# Altium PCB BE200.PcbDoc (part 1 of 6) (continued)
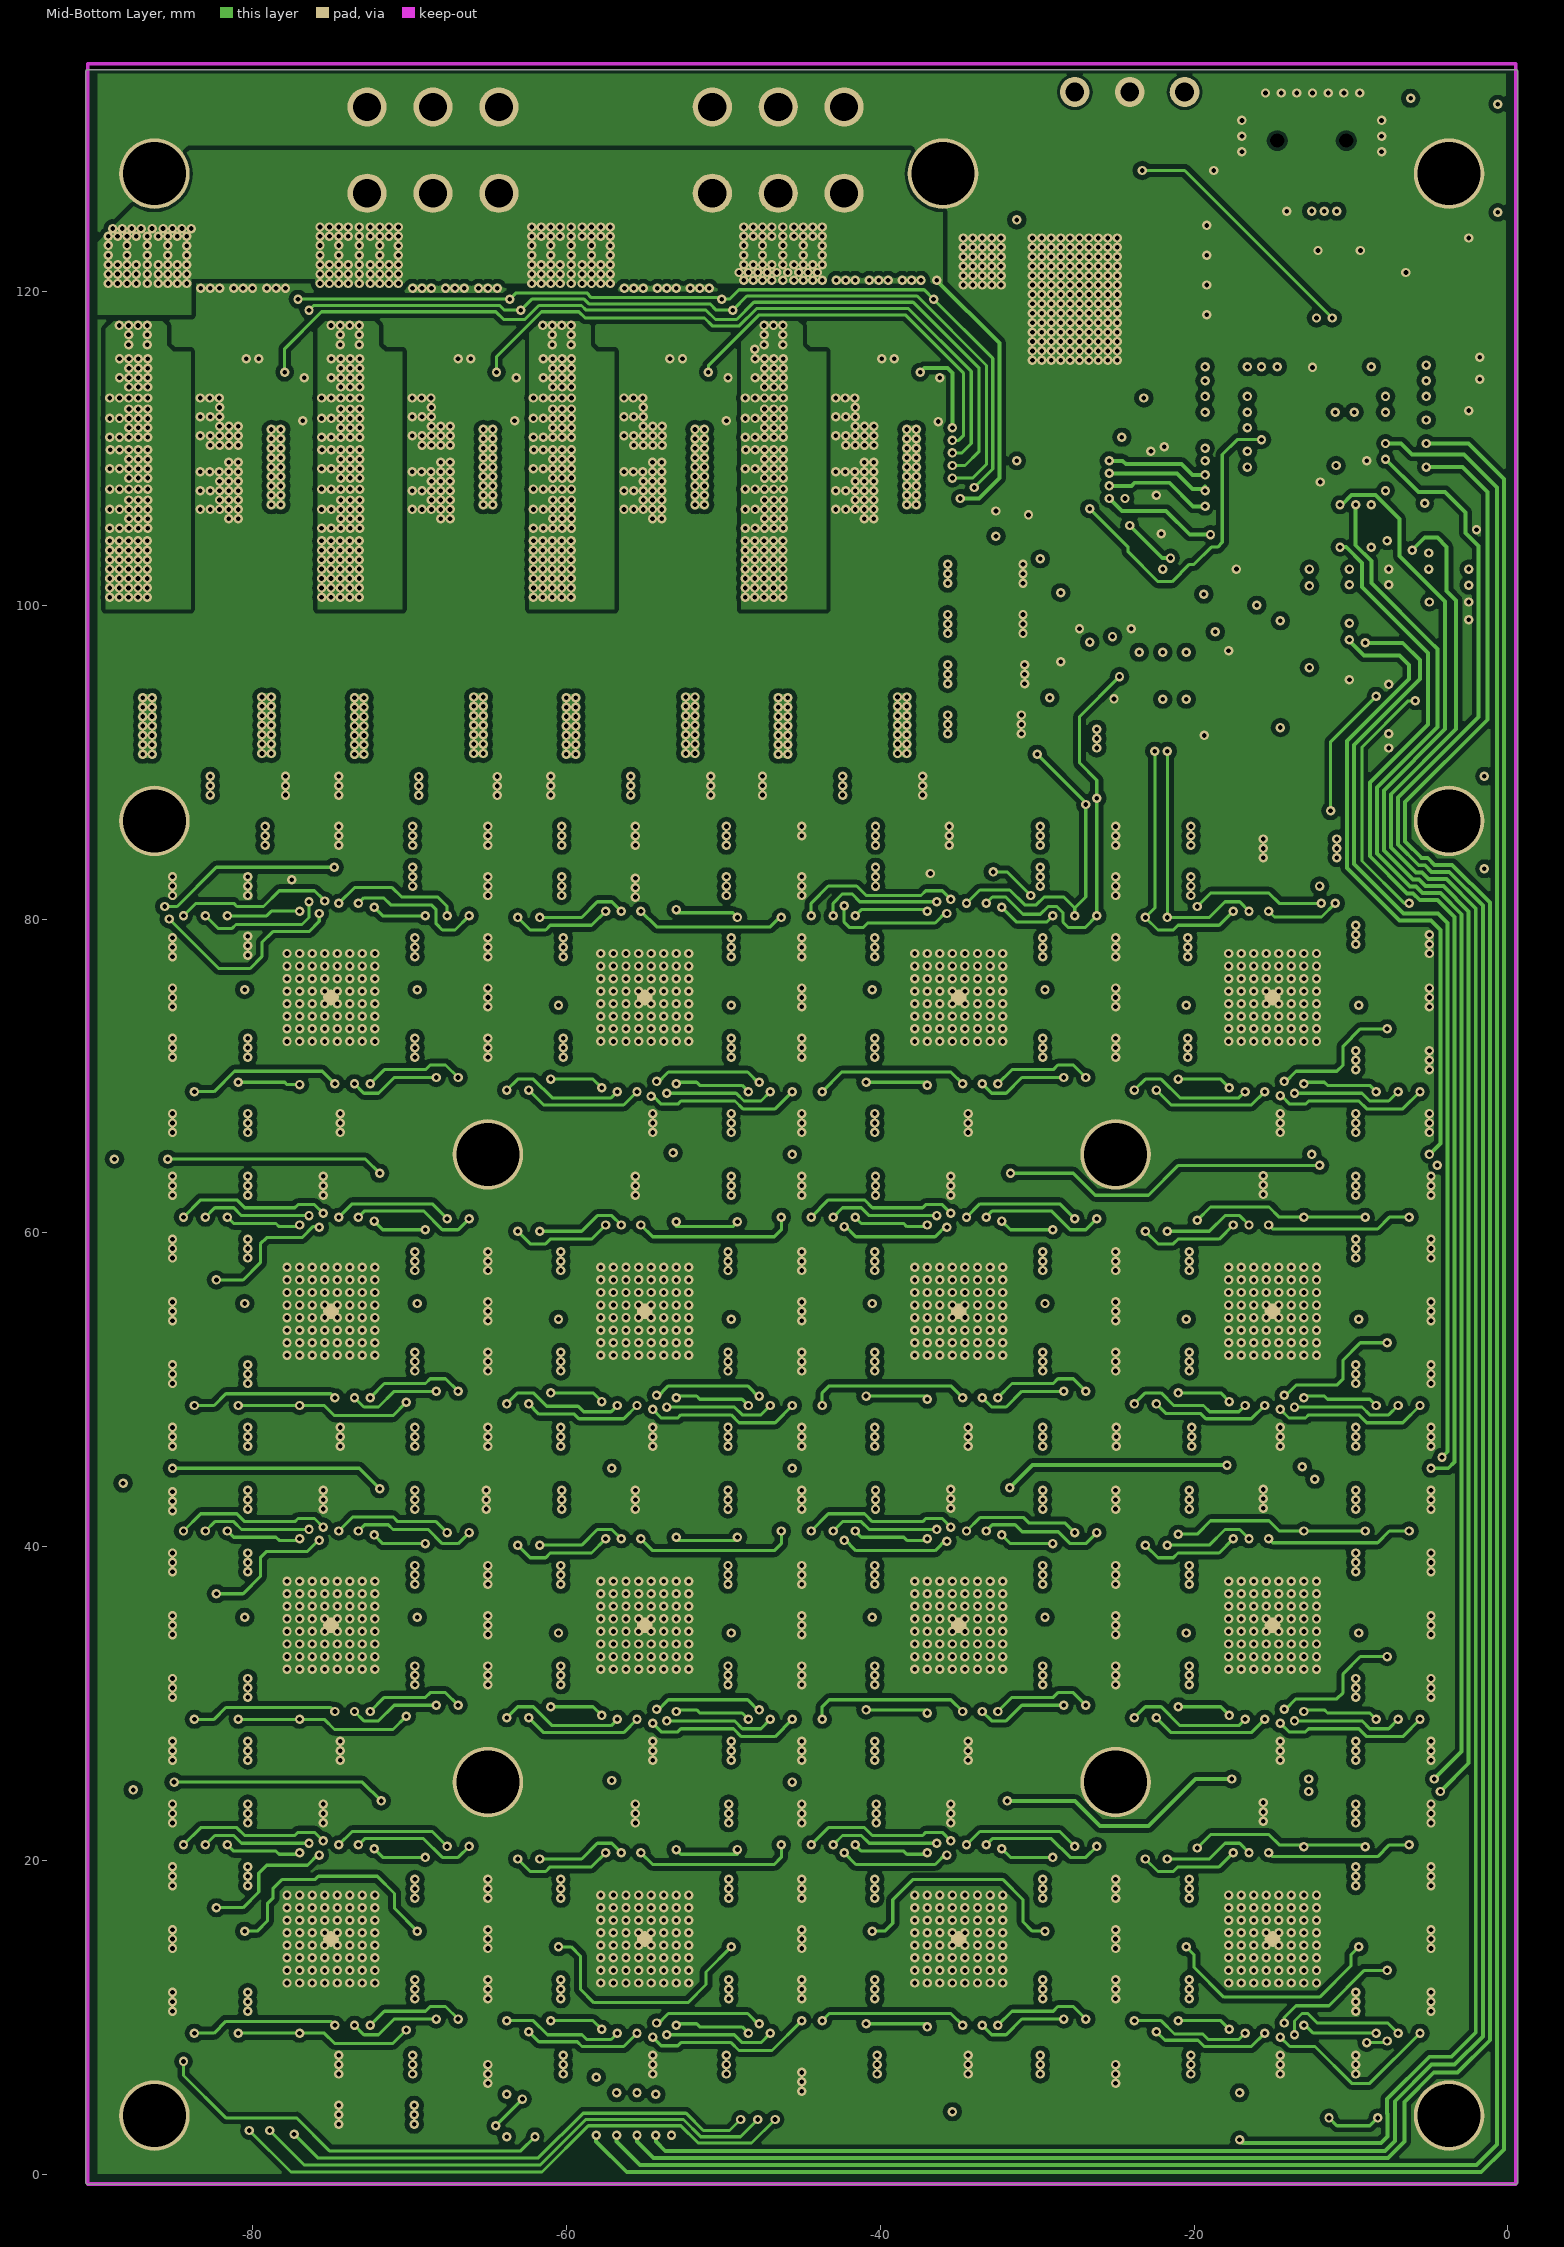
[diagram p3: Mid-Bottom Layer]
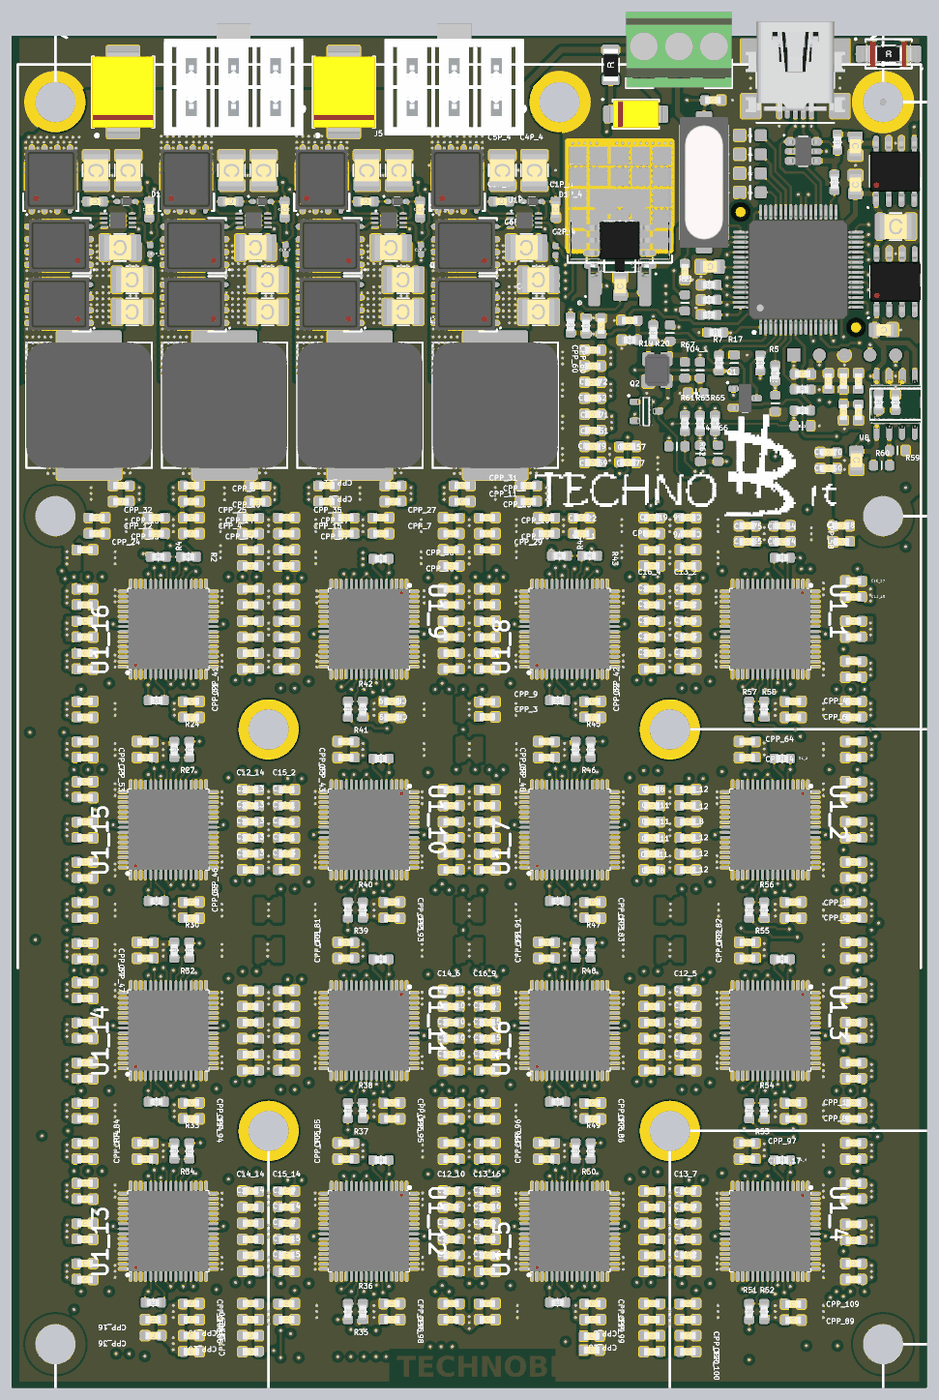
[diagram p9: 3D render of the assembled board from above, using the file's embedded part models]

## Layer stack, top to bottom
Top Solder: solder mask 0.0102, Solder Resist, Dk 3.5
Top Layer: signal copper 0.0356
Dielectric1: prepreg 0.32, FR-4, Dk 4.8
Mid-Top Layer: signal copper 0.0356
Dielectric2: core 0.32, FR-4, Dk 4.8
Mid-Bottom Layer: signal copper 0.0356
Dielectric3: prepreg 0.32, FR-4, Dk 4.8
Bottom Layer: signal copper 0.0356
Bottom Solder: solder mask 0.0102, Solder Resist, Dk 3.5

## Board outline
-90.625,-0.5 ccw(c-90.5,-0.5) -90.5,-0.625 0.5,-0.625 ccw(c0.5,-0.5) 0.625,-0.5 0.625,134 ccw(c0.5,134) 0.5,134.125 -90.5,134.125 ccw(c-90.5,134) -90.625,134

## Design rules (kind name [scope] priority, off if disabled: settings)
Clearance ClearancePad [(InPadClass('All Pads'))] p1: gap=0.2
Clearance "Clearance Bord Outline" [(OnLayer('Keep-Out Layer'))] p2: gap=0.5
Clearance "Clearance Polygon" [InPolygon] p3: gap=0.3
Clearance "Clearance Component Footprint" [(InComponentClass('All Components'))] p4: gap=0.2
Clearance [All] p5: gap=0.2
ComponentClearance [All] p1: gap=0.25 collisioncheckmode=3 verticalgap=0.25 showdistances=FALSE
DiffPairsRouting [All] p1: maxlimit=0.25 minlimit=0.25 mostfreqgap=0.25 toplayer_minwidth=0.381 toplayer_maxwidth=0.381 toplayer_prefwidth=0.381 midlayer1_minwidth=0.381 midlayer1_maxwidth=0.381 midlayer1_prefwidth=0.381 midlayer2_minwidth=0.381 midlayer2_maxwidth=0.381 midlayer2_prefwidth=0.381 bottomlayer_minwidth=0.381 bottomlayer_maxwidth=0.381 bottomlayer_prefwidth=0.381 maxuncoupledlength=12.7
HoleToHoleClearance [All] p1: gap=0.15 allowstackedmicrovias=TRUE
MinimumSolderMaskSliver [All] p1: minsoldermaskwidth=0.1
PolygonConnect "PolygonConnect Relief Connect" [(IsNamedPolygon('Top Layer-GND'))] p1 off: connectstyle=Relief reliefconductorwidth=0.25 reliefentries=4 polygonreliefangle="90 Angle" airgapwidth=0.254
PolygonConnect [All] p2: connectstyle=Direct reliefconductorwidth=0.254 reliefentries=4 polygonreliefangle="90 Angle" airgapwidth=0.254
RoutingVias [All] p1: holewidth=0.3 width=0.6 viastyle="Through Hole" minholewidth=0.3 minwidth=0.6 maxholewidth=0.5 maxwidth=1.3
SilkToSolderMaskClearance SilkscreenOverComponentPads [IsPad] p1: minsilkscreentomaskgap=0.254 clearancetoexposedcopper=TRUE
SolderMaskExpansion [All] p1: expansion=0.1
UnpouredPolygon [All] p1: allowunpoured=FALSE
Width [All] p1: maxlimit=2 minlimit=0.2 preferedwidth=0.25
24 further rules are at their usual default settings.

## Components (designator, comment, footprint, x,y, rotation, side; value= is the part's Value field where it differs from the comment)
C1 "10uF/16V" SMD_0805_CAPC2012X145N -21,111.1 r180 top
C1_1 "470nF" SMD_0603_CAPC1608X80N -46.8,26.2 r180 top
C1_2 "470nF" SMD_0603_CAPC1608X80N -63.2,6.2 r0 top
C1_3 "470nF" SMD_0603_CAPC1608X80N -66.8,82.9 r180 top
C1_4 "470nF" SMD_0603_CAPC1608X80N -26.8,81.3 r180 top
C1_5 "470nF" SMD_0603_CAPC1608X80N -46.8,52.6 r180 top
C1_6 "470nF" SMD_0603_CAPC1608X80N -6.7,14.1 r180 top
C1_7 "470nF" SMD_0603_CAPC1608X80N -83.3,14.2 r0 top
C1_8 "470nF" SMD_0603_CAPC1608X80N -83.3,30.2 r0 top
C1_9 "470nF" SMD_0603_CAPC1608X80N -63.2,71 r0 top
C1_10 "470nF" SMD_0603_CAPC1608X80N -6.7,34.2 r180 top
C1_11 "470nF" SMD_0603_CAPC1608X80N -6.7,63.8 r180 top
C1_12 "470nF" SMD_0603_CAPC1608X80N -6.7,42.2 r180 top
C1_13 "470nF" SMD_0603_CAPC1608X80N -63.2,39 r0 top
C1_14 "470nF" SMD_0603_CAPC1608X80N -26.8,17.4 r180 top
C1_15 "470nF" SMD_0603_CAPC1608X80N -6.7,66.2 r180 top
C1_16 "470nF" SMD_0603_CAPC1608X80N -66.8,79 r180 top
C1P_1 "10uF/16V" SMD_0603_CAPC1608X95N -76.9,116.8 r90 top
C1P_2 "10uF/16V" SMD_0603_CAPC1608X95N -63.4,116.8 r90 top
C1P_3 "10uF/16V" SMD_0603_CAPC1608X95N -49.9,116.8 r90 top
C1P_4 "10uF/16V" SMD_0603_CAPC1608X95N -36.4,116.8 r90 top
C2 "1nF" SMD_0603_CAPC1608X80N -31.85,105.2 r90 top
C2_1 "470nF" SMD_0603_CAPC1608X80N -23.2,81.3 r0 top
C2_2 "470nF" SMD_0603_CAPC1608X80N -63.2,7.8 r0 top
C2_3 "470nF" SMD_0603_CAPC1608X80N -66.8,81.3 r180 top
C2_4 "470nF" SMD_0603_CAPC1608X80N -52.601,87.7 r180 top
C2_5 "470nF" SMD_0603_CAPC1608X80N -66.8,37.4 r180 top
C2_6 "470nF" SMD_0603_CAPC1608X80N -83.3,55.8 r0 top
C2_7 "470nF" SMD_0603_CAPC1608X80N -83.3,15.8 r0 top
C2_8 "470nF" SMD_0603_CAPC1608X80N -83.3,35.8 r0 top
C2_9 "470nF" SMD_0603_CAPC1608X80N -63.2,72.6 r0 top
C2_10 "470nF" SMD_0603_CAPC1608X80N -6.7,19.8 r180 top
C2_11 "470nF" SMD_0603_CAPC1608X80N -6.7,58.2 r180 top
C2_12 "470nF" SMD_0603_CAPC1608X80N -26.8,32.6 r180 top
C2_13 "470nF" SMD_0603_CAPC1608X80N -43.2,51 r0 top
C2_14 "470nF" SMD_0603_CAPC1608X80N -26.8,15.8 r180 top
C2_15 "470nF" SMD_0603_CAPC1608X80N -66.8,11 r180 top
C2_16 "470nF" SMD_0603_CAPC1608X80N -66.8,77.4 r180 top
C2P_1 "(OPT)1uF/16V" SMD_0402_CAPC1005X90N -76.8,112.8 r270 top
C2P_2 "(OPT)1uF/16V" SMD_0402_CAPC1005X90N -63.3,112.8 r270 top
C2P_3 "(OPT)1uF/16V" SMD_0402_CAPC1005X90N -49.8,112.8 r270 top
C2P_4 "(OPT)1uF/16V" SMD_0402_CAPC1005X90N -36.4,112.7 r270 top
C3 "1nF" SMD_0603_CAPC1608X80N -29,105.75 r180 top
C3_1 "470nF" SMD_0603_CAPC1608X80N -23.2,82.9 r0 top
C3_2 "470nF" SMD_0603_CAPC1608X80N -43.2,7.8 r0 top
C3_3 "470nF" SMD_0603_CAPC1608X80N -63.199,81.3 r0 top
C3_4 "470nF" SMD_0603_CAPC1608X80N -83.3,79 r0 top
C3_5 "470nF" SMD_0603_CAPC1608X80N -66.8,35.8 r180 top
C3_6 "470nF" SMD_0603_CAPC1608X80N -83.3,54.2 r0 top
C3_7 "470nF" SMD_0603_CAPC1608X80N -83.3,18.2 r0 top
C3_8 "470nF" SMD_0603_CAPC1608X80N -83.3,39.8 r0 top
C3_9 "470nF" SMD_0603_CAPC1608X80N -63.2,74.2 r0 top
C3_10 "470nF" SMD_0603_CAPC1608X80N -6.7,18.2 r180 top
C3_11 "470nF" SMD_0603_CAPC1608X80N -6.7,54.2 r180 top
C3_12 "470nF" SMD_0603_CAPC1608X80N -26.8,37.4 r180 top
C3_13 "470nF" SMD_0603_CAPC1608X80N -43.2,52.6 r0 top
C3_14 "470nF" SMD_0603_CAPC1608X80N -26.8,14.2 r180 top
C3_15 "470nF" SMD_0603_CAPC1608X80N -66.8,15.8 r180 top
C3_16 "470nF" SMD_0603_CAPC1608X80N -66.8,75.8 r180 top
C3P_1 "100nF/50V" SMD_0603_CAPC1608X95N -82.3,117.6 r180 top
C3P_2 "100nF/50V" SMD_0603_CAPC1608X95N -68.8,117.6 r180 top
C3P_3 "100nF/50V" SMD_0603_CAPC1608X95N -55.3,117.6 r180 top
C3P_4 "100nF/50V" SMD_0603_CAPC1608X95N -41.8,117.6 r180 top
C4 "100nF" SMD_0603_CAPC1608X80N -6.2,99.7 r90 top
C4_1 "470nF" SMD_0603_CAPC1608X80N -43.2,27.8 r0 top
C4_2 "470nF" SMD_0603_CAPC1608X80N -46.8,7.8 r180 top
C4_3 "470nF" SMD_0603_CAPC1608X80N -63.199,82.9 r0 top
C4_4 "470nF" SMD_0603_CAPC1608X80N -83.3,77.4 r0 top
C4_5 "470nF" SMD_0603_CAPC1608X80N -66.8,34.2 r180 top
C4_6 "470nF" SMD_0603_CAPC1608X80N -83.3,63.8 r0 top
C4_7 "470nF" SMD_0603_CAPC1608X80N -83.3,19.8 r0 top
C4_8 "470nF" SMD_0603_CAPC1608X80N -83.3,42.1 r0 top
C4_9 "470nF" SMD_0603_CAPC1608X80N -63.2,75.8 r0 top
C4_10 "470nF" SMD_0603_CAPC1608X80N -83.3,72.6 r0 top
C4_11 "470nF" SMD_0603_CAPC1608X80N -6.7,51.8 r180 top
C4_12 "470nF" SMD_0603_CAPC1608X80N -43.2,57.4 r0 top
C4_13 "470nF" SMD_0603_CAPC1608X80N -43.2,54.2 r0 top
C4_14 "470nF" SMD_0603_CAPC1608X80N -6.7,67.8 r180 top
C4_15 "470nF" SMD_0603_CAPC1608X80N -66.8,14.2 r180 top
C4_16 "470nF" SMD_0603_CAPC1608X80N -66.8,74.2 r180 top
C4P_1 "100uF" SMD_1210_CAPC3225X279N -82.2,120.7 r270 top
C4P_2 "100uF" SMD_1210_CAPC3225X279N -68.7,120.7 r270 top
C4P_3 "100uF" SMD_1210_CAPC3225X279N -55.2,120.7 r270 top
C4P_4 "100uF" SMD_1210_CAPC3225X279N -38.5,120.7 r270 top
C5_1 "470nF" SMD_0603_CAPC1608X80N -43.2,22.2 r0 top
C5_2 "470nF" SMD_0603_CAPC1608X80N -46.8,6.2 r180 top
C5_3 "470nF" SMD_0603_CAPC1608X80N -26.8,4.6 r180 top
C5_4 "470nF" SMD_0603_CAPC1608X80N -83.3,75.8 r0 top
C5_5 "470nF" SMD_0603_CAPC1608X80N -66.8,32.6 r180 top
C5_6 "470nF" SMD_0603_CAPC1608X80N -83.3,62.2 r0 top
C5_7 "470nF" SMD_0603_CAPC1608X80N -83.3,26.2 r0 top
C5_8 "470nF" SMD_0603_CAPC1608X80N -83.3,50.2 r0 top
C5_9 "470nF" SMD_0603_CAPC1608X80N -63.2,77.4 r0 top
C5_10 "470nF" SMD_0603_CAPC1608X80N -6.7,31.8 r180 top
C5_11 "470nF" SMD_0603_CAPC1608X80N -26.8,12.6 r180 top
C5_12 "470nF" SMD_0603_CAPC1608X80N -43.2,55.8 r0 top
C5_13 "470nF" SMD_0603_CAPC1608X80N -26.8,35.8 r180 top
C5_14 "470nF" SMD_0603_CAPC1608X80N -6.7,62.2 r180 top
C5_15 "470nF" SMD_0603_CAPC1608X80N -43.2,71 r0 top
C5_16 "470nF" SMD_0603_CAPC1608X80N -66.8,72.6 r180 top
C5P_1 "100uF" SMD_1210_CAPC3225X279N -79,120.7 r270 top
C5P_2 "100uF" SMD_1210_CAPC3225X279N -65.5,120.7 r270 top
C5P_3 "100uF" SMD_1210_CAPC3225X279N -52,120.7 r270 top
C5P_4 "100uF" SMD_1210_CAPC3225X279N -41.7,120.7 r270 top
C6_1 "470nF" SMD_0603_CAPC1608X80N -66.8,7.8 r180 top
C6_2 "470nF" SMD_0603_CAPC1608X80N -26.8,7.8 r180 top
C6_3 "470nF" SMD_0603_CAPC1608X80N -52.601,89.3 r180 top
C6_4 "470nF" SMD_0603_CAPC1608X80N -83.3,74.2 r0 top
C6_5 "470nF" SMD_0603_CAPC1608X80N -66.8,31 r180 top
C6_6 "470nF" SMD_0603_CAPC1608X80N -83.3,71 r0 top
C6_7 "470nF" SMD_0603_CAPC1608X80N -83.3,22.2 r0 top
C6_8 "470nF" SMD_0603_CAPC1608X80N -83.3,51.8 r0 top
C6_9 "470nF" SMD_0603_CAPC1608X80N -63.2,79 r0 top
C6_10 "470nF" SMD_0603_CAPC1608X80N -6.7,30.2 r180 top
C6_11 "470nF" SMD_0603_CAPC1608X80N -26.8,11 r180 top
C6_12 "470nF" SMD_0603_CAPC1608X80N -43.2,59 r0 top
C6_13 "470nF" SMD_0603_CAPC1608X80N -63.2,34.2 r0 top
C6_14 "470nF" SMD_0603_CAPC1608X80N -6.7,71.8 r180 top
C6_15 "470nF" SMD_0603_CAPC1608X80N -43.2,72.6 r0 top
C6_16 "470nF" SMD_0603_CAPC1608X80N -66.8,71 r180 top
C6P_1 "220uF" SMD_1210_CAPC3225X279N -78.6,109.8 r180 top
C6P_2 "220uF" SMD_1210_CAPC3225X279N -65.1,106.6 r180 top
C6P_3 "220uF" SMD_1210_CAPC3225X279N -51.6,109.8 r180 top
C6P_4 "220uF" SMD_1210_CAPC3225X279N -39.3,113 r180 top
C7 "100nF" SMD_0603_CAPC1608X80N -11.775,100.425 r0 top
C7_1 "470nF" SMD_0603_CAPC1608X80N -66.8,6.2 r180 top
C7_2 "470nF" SMD_0603_CAPC1608X80N -26.8,6.2 r180 top
C7_3 "470nF" SMD_0603_CAPC1608X80N -43.2,84.5 r0 top
C7_4 "470nF" SMD_0603_CAPC1608X80N -79.7,89.3 r180 top
C7_5 "470nF" SMD_0603_CAPC1608X80N -6.7,11.8 r180 top
C7_6 "470nF" SMD_0603_CAPC1608X80N -83.3,66.2 r0 top
C7_7 "470nF" SMD_0603_CAPC1608X80N -83.3,23.8 r0 top
C7_8 "470nF" SMD_0603_CAPC1608X80N -83.3,47.8 r0 top
C7_9 "470nF" SMD_0603_CAPC1608X80N -46.8,75.8 r180 top
C7_10 "470nF" SMD_0603_CAPC1608X80N -6.7,23.8 r180 top
C7_11 "470nF" SMD_0603_CAPC1608X80N -6.7,47.8 r180 top
C7_12 "470nF" SMD_0603_CAPC1608X80N -26.8,39 r180 top
C7_13 "470nF" SMD_0603_CAPC1608X80N -63.2,31 r0 top
C7_14 "470nF" SMD_0603_CAPC1608X80N -6.7,70.2 r180 top
C7_15 "470nF" SMD_0603_CAPC1608X80N -43.2,75.8 r0 top
C7_16 "470nF" SMD_0603_CAPC1608X80N -46.8,74.2 r180 top
C7P_1 "220uF" SMD_1210_CAPC3225X279N -78.6,106.6 r180 top
C7P_2 "220uF" SMD_1210_CAPC3225X279N -66.3,113 r180 top
C7P_3 "220uF" SMD_1210_CAPC3225X279N -51.6,106.6 r180 top
C7P_4 "220uF" SMD_1210_CAPC3225X279N -38.1,109.8 r180 top
C8 "100nF" SMD_0603_CAPC1608X80N -9.2,99.7 r90 top
C8_1 "470nF" SMD_0603_CAPC1608X80N -46.8,22.2 r180 top
C8_2 "470nF" SMD_0603_CAPC1608X80N -23.2,6.2 r0 top
C8_3 "470nF" SMD_0603_CAPC1608X80N -43.2,86.1 r0 top
C8_4 "470nF" SMD_0603_CAPC1608X80N -79.7,87.7 r180 top
C8_5 "470nF" SMD_0603_CAPC1608X80N -6.7,10.2 r180 top
C8_6 "470nF" SMD_0603_CAPC1608X80N -83.3,67.8 r0 top
C8_7 "470nF" SMD_0603_CAPC1608X80N -83.3,27.8 r0 top
C8_8 "470nF" SMD_0603_CAPC1608X80N -83.3,46.2 r0 top
C8_9 "470nF" SMD_0603_CAPC1608X80N -6.7,38.2 r180 top
C8_10 "470nF" SMD_0603_CAPC1608X80N -6.7,22.2 r180 top
C8_11 "470nF" SMD_0603_CAPC1608X80N -6.7,46.2 r180 top
C8_12 "470nF" SMD_0603_CAPC1608X80N -46.8,59 r180 top
C8_13 "470nF" SMD_0603_CAPC1608X80N -63.2,32.6 r0 top
C8_14 "470nF" SMD_0603_CAPC1608X80N -6.7,75.8 r180 top
C8_15 "470nF" SMD_0603_CAPC1608X80N -43.2,74.2 r0 top
C8_16 "470nF" SMD_0603_CAPC1608X80N -46.8,72.6 r180 top
C8P_1 "220uF" SMD_1210_CAPC3225X279N -79.8,113 r180 top
C8P_2 "220uF" SMD_1210_CAPC3225X279N -65.1,109.8 r180 top
C8P_3 "220uF" SMD_1210_CAPC3225X279N -52.8,113 r180 top
C8P_4 "220uF" SMD_1210_CAPC3225X279N -38.1,106.6 r180 top
C9 "100nF" SMD_0603_CAPC1608X80N -7.7,99.7 r90 top
C9_1 "470nF" SMD_0603_CAPC1608X80N -43.2,23.8 r0 top
C9_2 "470nF" SMD_0603_CAPC1608X80N -23.2,7.8 r0 top
C9_3 "470nF" SMD_0603_CAPC1608X80N -26.8,3 r180 top
C9_4 "470nF" SMD_0603_CAPC1608X80N -72.7,87.7 r0 top
C9_5 "470nF" SMD_0603_CAPC1608X80N -66.8,39 r180 top
C9_6 "470nF" SMD_0603_CAPC1608X80N -83.3,59.8 r0 top
C9_7 "470nF" SMD_0603_CAPC1608X80N -83.3,31.8 r0 top
C9_8 "470nF" SMD_0603_CAPC1608X80N -83.3,43.7 r0 top
C9_9 "470nF" SMD_0603_CAPC1608X80N -6.7,39.8 r180 top
C9_10 "470nF" SMD_0603_CAPC1608X80N -6.7,27.8 r180 top
C9_11 "470nF" SMD_0603_CAPC1608X80N -6.7,50.2 r180 top
C9_12 "470nF" SMD_0603_CAPC1608X80N -46.8,57.4 r180 top
C9_13 "470nF" SMD_0603_CAPC1608X80N -26.8,34.2 r180 top
C9_14 "470nF" SMD_0603_CAPC1608X80N -6.7,74.2 r180 top
C9_15 "470nF" SMD_0603_CAPC1608X80N -66.8,12.6 r180 top
C9_16 "470nF" SMD_0603_CAPC1608X80N -43.2,77.4 r0 top
C10 "100nF" SMD_0603_CAPC1608X80N -7.7,96.6 r270 top
C10_1 "470nF" SMD_0603_CAPC1608X80N -43.2,26.2 r0 top
C10_2 "470nF" SMD_0603_CAPC1608X80N -43.2,6.2 r0 top
C10_3 "470nF" SMD_0603_CAPC1608X80N -46.8,86.1 r180 top
C10_4 "470nF" SMD_0603_CAPC1608X80N -72.7,89.3 r0 top
C10_5 "470nF" SMD_0603_CAPC1608X80N -46.8,55.8 r180 top
C10_6 "470nF" SMD_0603_CAPC1608X80N -83.3,58.2 r0 top
C10_7 "470nF" SMD_0603_CAPC1608X80N -83.3,10.2 r0 top
C10_8 "470nF" SMD_0603_CAPC1608X80N -83.3,38.2 r0 top
C10_9 "470nF" SMD_0603_CAPC1608X80N -46.8,79 r180 top
C10_10 "470nF" SMD_0603_CAPC1608X80N -6.7,26.2 r180 top
C10_11 "470nF" SMD_0603_CAPC1608X80N -6.7,55.8 r180 top
C10_12 "470nF" SMD_0603_CAPC1608X80N -46.8,51 r180 top
C10_13 "470nF" SMD_0603_CAPC1608X80N -63.2,35.8 r0 top
C10_14 "470nF" SMD_0603_CAPC1608X80N -26.8,31 r180 top
C10_15 "470nF" SMD_0603_CAPC1608X80N -6.7,79.8 r180 top
C10_16 "470nF" SMD_0603_CAPC1608X80N -43.2,79 r0 top
C11 "100nF" SMD_0603_CAPC1608X80N -6.2,96.6 r270 top
C11_1 "470nF" SMD_0603_CAPC1608X80N -46.8,27.8 r180 top
C11_2 "470nF" SMD_0603_CAPC1608X80N -46.8,23.8 r180 top
C11_3 "470nF" SMD_0603_CAPC1608X80N -46.8,84.5 r180 top
C11_4 "470nF" SMD_0603_CAPC1608X80N -26.8,82.9 r180 top
C11_5 "470nF" SMD_0603_CAPC1608X80N -46.8,54.2 r180 top
C11_6 "470nF" SMD_0603_CAPC1608X80N -6.7,15.7 r180 top
C11_7 "470nF" SMD_0603_CAPC1608X80N -83.3,11.8 r0 top
C11_8 "470nF" SMD_0603_CAPC1608X80N -83.3,34.2 r0 top
C11_9 "470nF" SMD_0603_CAPC1608X80N -46.8,77.4 r180 top
C11_10 "470nF" SMD_0603_CAPC1608X80N -6.7,35.8 r180 top
C11_11 "470nF" SMD_0603_CAPC1608X80N -6.7,59.8 r180 top
C11_12 "470nF" SMD_0603_CAPC1608X80N -6.7,43.8 r180 top
C11_13 "470nF" SMD_0603_CAPC1608X80N -63.2,37.4 r0 top
C11_14 "470nF" SMD_0603_CAPC1608X80N -26.8,19 r180 top
C11_15 "470nF" SMD_0603_CAPC1608X80N -6.7,78.2 r180 top
C11_16 "470nF" SMD_0603_CAPC1608X80N -46.8,71 r180 top
C12 "18pF" SMD_0603_CAPC1608X80N -20.7,127.7 r0 top
C12_1 "470nF" SMD_0603_CAPC1608X80N -63.2,52.6 r0 top
C12_2 "470nF" SMD_0603_CAPC1608X80N -23.2,11 r0 top
C12_3 "470nF" SMD_0603_CAPC1608X80N -23.2,74.2 r0 top
C12_4 "470nF" SMD_0603_CAPC1608X80N -26.8,72.6 r180 top
C12_5 "470nF" SMD_0603_CAPC1608X80N -23.2,39 r0 top
C12_6 "470nF" SMD_0603_CAPC1608X80N -43.2,12.6 r0 top
C12_7 "470nF" SMD_0603_CAPC1608X80N -23.2,31 r0 top
C12_8 "470nF" SMD_0603_CAPC1608X80N -23.2,55.8 r0 top
C12_9 "470nF" SMD_0603_CAPC1608X80N -46.8,11 r180 top
C12_10 "470nF" SMD_0603_CAPC1608X80N -46.8,19 r180 top
C12_11 "470nF" SMD_0603_CAPC1608X80N -46.8,37.4 r180 top
C12_12 "470nF" SMD_0603_CAPC1608X80N -23.2,59 r0 top
C12_13 "470nF" SMD_0603_CAPC1608X80N -66.8,51 r180 top
C12_14 "470nF" SMD_0603_CAPC1608X80N -66.8,59 r180 top
C12_15 "470nF" SMD_0603_CAPC1608X80N -63.2,12.6 r0 top
C12_16 "470nF" SMD_0603_CAPC1608X80N -43.2,31 r0 top
C13 "18pF" SMD_0603_CAPC1608X80N -23.5,110.6 r270 top
C13_1 "470nF" SMD_0603_CAPC1608X80N -63.2,54.2 r0 top
C13_2 "470nF" SMD_0603_CAPC1608X80N -23.2,79 r0 top
C13_3 "470nF" SMD_0603_CAPC1608X80N -23.2,72.6 r0 top
C13_4 "470nF" SMD_0603_CAPC1608X80N -26.8,74.2 r180 top
C13_5 "470nF" SMD_0603_CAPC1608X80N -46.8,15.8 r180 top
C13_6 "470nF" SMD_0603_CAPC1608X80N -23.2,32.6 r0 top
C13_7 "470nF" SMD_0603_CAPC1608X80N -23.2,19 r0 top
C13_8 "470nF" SMD_0603_CAPC1608X80N -26.8,59 r180 top
C13_9 "470nF" SMD_0603_CAPC1608X80N -63.2,14.2 r0 top
C13_10 "470nF" SMD_0603_CAPC1608X80N -46.8,31 r180 top
C13_11 "470nF" SMD_0603_CAPC1608X80N -26.8,52.6 r180 top
C13_12 "470nF" SMD_0603_CAPC1608X80N -23.2,57.4 r0 top
C13_13 "470nF" SMD_0603_CAPC1608X80N -66.8,52.6 r180 top
C13_14 "470nF" SMD_0603_CAPC1608X80N -66.8,17.4 r180 top
C13_15 "470nF" SMD_0603_CAPC1608X80N -63.2,11 r0 top
C13_16 "470nF" SMD_0603_CAPC1608X80N -43.2,19 r0 top
C14 "10uF/16V" SMD_0805_CAPC2012X145N -29.96,109.175 r90 top
C14_1 "470nF" SMD_0603_CAPC1608X80N -23.2,12.6 r0 top
C14_2 "470nF" SMD_0603_CAPC1608X80N -23.2,77.4 r0 top
C14_3 "470nF" SMD_0603_CAPC1608X80N -23.2,71 r0 top
C14_4 "470nF" SMD_0603_CAPC1608X80N -26.8,75.8 r180 top
C14_5 "470nF" SMD_0603_CAPC1608X80N -43.2,35.8 r0 top
C14_6 "470nF" SMD_0603_CAPC1608X80N -46.8,39 r180 top
C14_7 "470nF" SMD_0603_CAPC1608X80N -23.2,35.8 r0 top
C14_8 "470nF" SMD_0603_CAPC1608X80N -26.8,51 r180 top
C14_9 "470nF" SMD_0603_CAPC1608X80N -46.8,12.6 r180 top